# Altium PCB Electronic Load 20251104.PcbDoc (part 2 of 4)
Units mm, origin at the board's own origin, x right, y up, seen from the top; angles counter-clockwise.
Board outline 206 x 70 mm, 6 copper layers (L1, L2, L3, L4, L5, L6), stack 1.609 mm thick; 684 components, 363 nets, 1727 pads, 147 vias.
Unrouted connection lines stored in the file: 1081.
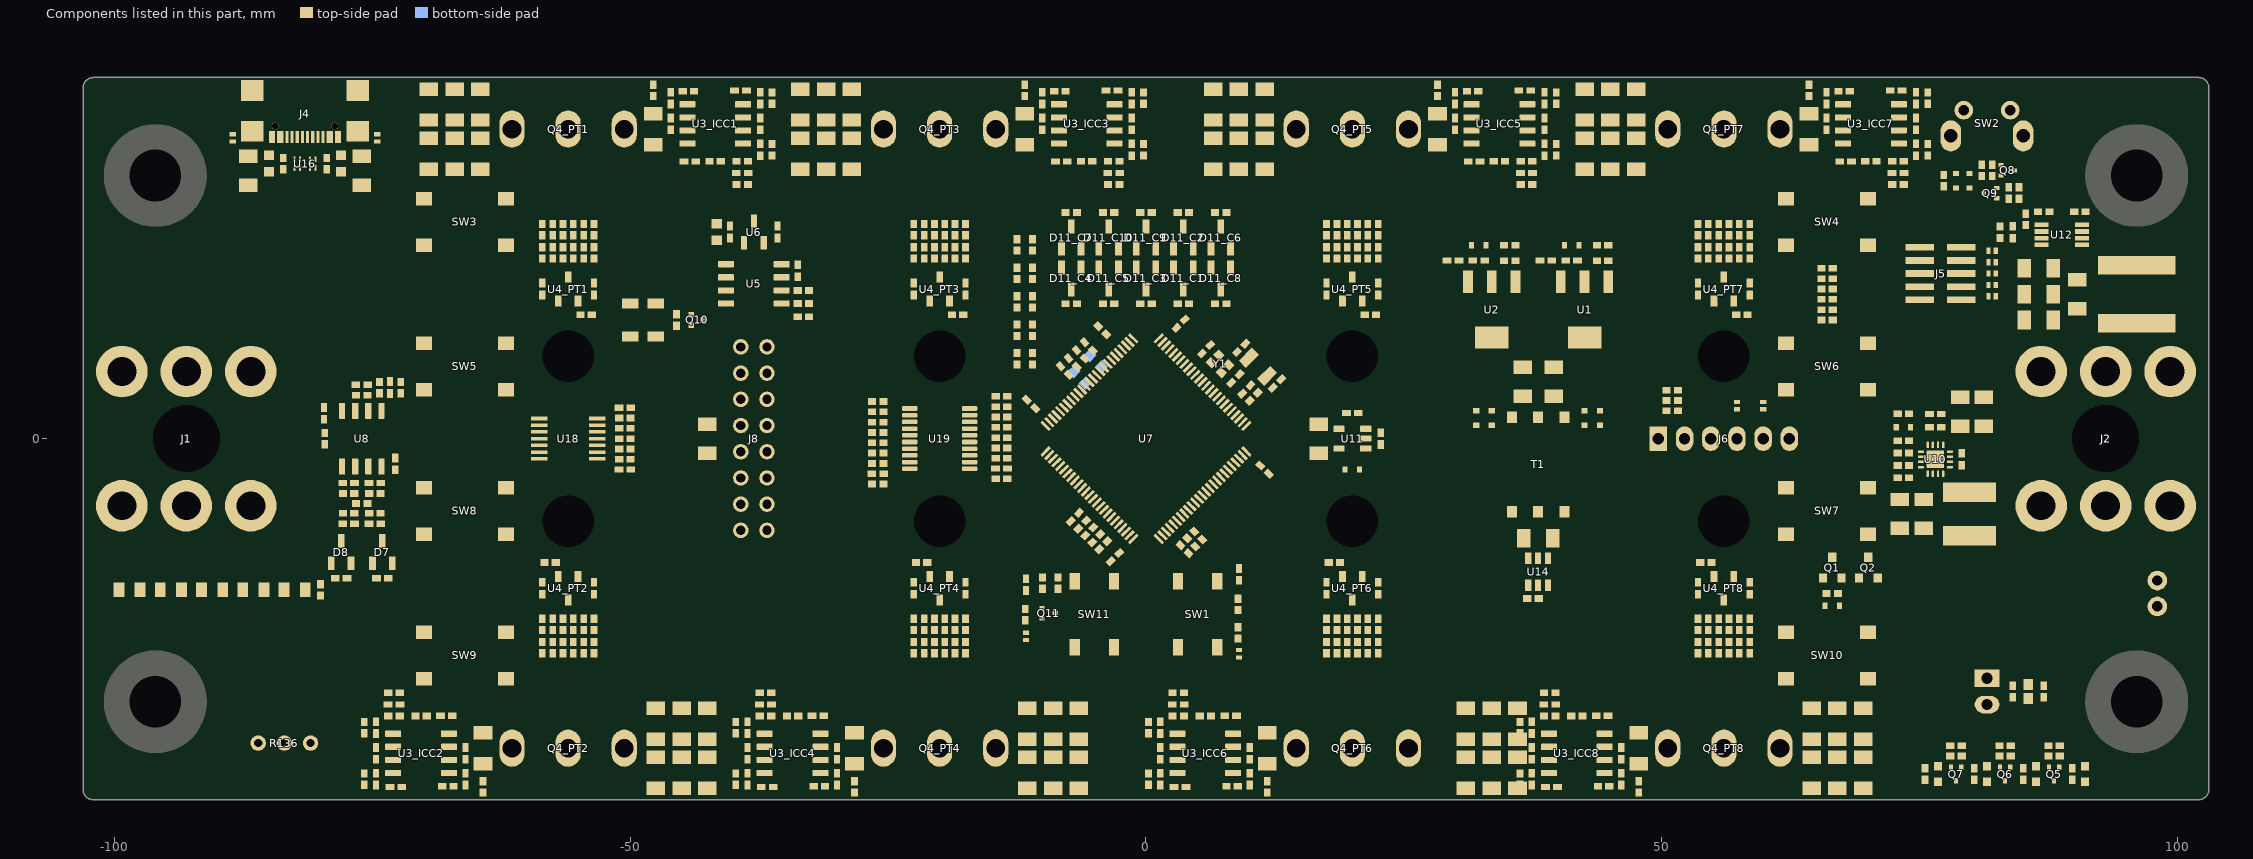
[diagram p3: the components of this part, seen from the top]

## Components (designator, comment, footprint, x,y, rotation, side; value= is the part's Value field where it differs from the comment) (continued)
R31_ICC4 "1k,0.1%,0.063W,0402" RESC1005X04N -21.5,-20.25 r270 top value=1k (schematic designator R31)
R31_ICC5 "1k,0.1%,0.063W,0402" RESC1005X04N 21.5,20.25 r90 top value=1k (schematic designator R31)
R31_ICC6 "1k,0.1%,0.063W,0402" RESC1005X04N 18.5,-20.25 r270 top value=1k (schematic designator R31)
R31_ICC7 "1k,0.1%,0.063W,0402" RESC1005X04N 57.5,20.25 r90 top value=1k (schematic designator R31)
R31_ICC8 "1k,0.1%,0.063W,0402" RESC1005X04N 54.5,-20.25 r270 top value=1k (schematic designator R31)
R32_ICC1 "1k,0.1%,0.063W,0402" RESC1005X04N -58.5,20.25 r90 top value=1k (schematic designator R32)
R32_ICC2 "1k,0.1%,0.063W,0402" RESC1005X04N -53.5,-20.25 r270 top value=1k (schematic designator R32)
R32_ICC3 "1k,0.1%,0.063W,0402" RESC1005X04N -22.5,20.25 r90 top value=1k (schematic designator R32)
R32_ICC4 "1k,0.1%,0.063W,0402" RESC1005X04N -17.5,-20.25 r270 top value=1k (schematic designator R32)
R32_ICC5 "1k,0.1%,0.063W,0402" RESC1005X04N 17.5,20.25 r90 top value=1k (schematic designator R32)
R32_ICC6 "1k,0.1%,0.063W,0402" RESC1005X04N 22.5,-20.25 r270 top value=1k (schematic designator R32)
R32_ICC7 "1k,0.1%,0.063W,0402" RESC1005X04N 53.5,20.25 r90 top value=1k (schematic designator R32)
R32_ICC8 "1k,0.1%,0.063W,0402" RESC1005X04N 58.5,-20.25 r270 top value=1k (schematic designator R32)
R33_ICC1 "10k,5%,0.063W,0402" RESC1005X04N -44.35,33.675 r180 top value=10k (schematic designator R33)
R33_ICC2 "10k,5%,0.063W,0402" RESC1005X04N -67.65,-33.675 r0 top value=10k (schematic designator R33)
R33_ICC3 "10k,5%,0.063W,0402" RESC1005X04N -8.35,33.675 r180 top value=10k (schematic designator R33)
R33_ICC4 "10k,5%,0.063W,0402" RESC1005X04N -31.65,-33.675 r0 top value=10k (schematic designator R33)
R33_ICC5 "10k,5%,0.063W,0402" RESC1005X04N 31.65,33.675 r180 top value=10k (schematic designator R33)
R33_ICC6 "10k,5%,0.063W,0402" RESC1005X04N 8.35,-33.675 r0 top value=10k (schematic designator R33)
R33_ICC7 "10k,5%,0.063W,0402" RESC1005X04N 67.65,33.675 r180 top value=10k (schematic designator R33)
R33_ICC8 "10k,5%,0.063W,0402" RESC1005X04N 44.35,-33.675 r0 top value=10k (schematic designator R33)
R34_ICC1 "6k81,0.1%,0.063W,0402" RESC1005X04N -36.25,33 r270 top value=6k81 (schematic designator R34)
R34_ICC2 "6k81,0.1%,0.063W,0402" RESC1005X04N -75.75,-33 r90 top value=6k81 (schematic designator R34)
R34_ICC3 "6k81,0.1%,0.063W,0402" RESC1005X04N -0.25,33 r270 top value=6k81 (schematic designator R34)
R34_ICC4 "6k81,0.1%,0.063W,0402" RESC1005X04N -39.75,-33 r90 top value=6k81 (schematic designator R34)
R34_ICC5 "6k81,0.1%,0.063W,0402" RESC1005X04N 39.75,33 r270 top value=6k81 (schematic designator R34)
R34_ICC6 "6k81,0.1%,0.063W,0402" RESC1005X04N 0.25,-33 r90 top value=6k81 (schematic designator R34)
R34_ICC7 "6k81,0.1%,0.063W,0402" RESC1005X04N 75.75,33 r270 top value=6k81 (schematic designator R34)
R34_ICC8 "6k81,0.1%,0.063W,0402" RESC1005X04N 36.25,-33 r90 top value=6k81 (schematic designator R34)
R35_ICC1 "1k,0.1%,0.063W,0402" RESC1005X04N -55.5,18 r270 top value=1k (schematic designator R35)
R35_ICC2 "1k,0.1%,0.063W,0402" RESC1005X04N -56.5,-18 r90 top value=1k (schematic designator R35)
R35_ICC3 "1k,0.1%,0.063W,0402" RESC1005X04N -19.5,18 r270 top value=1k (schematic designator R35)
R35_ICC4 "1k,0.1%,0.063W,0402" RESC1005X04N -20.5,-18 r90 top value=1k (schematic designator R35)
R35_ICC5 "1k,0.1%,0.063W,0402" RESC1005X04N 20.5,18 r270 top value=1k (schematic designator R35)
R35_ICC6 "1k,0.1%,0.063W,0402" RESC1005X04N 19.5,-18 r90 top value=1k (schematic designator R35)
R35_ICC7 "1k,0.1%,0.063W,0402" RESC1005X04N 56.5,18 r270 top value=1k (schematic designator R35)
R35_ICC8 "1k,0.1%,0.063W,0402" RESC1005X04N 55.5,-18 r90 top value=1k (schematic designator R35)
R36_ICC1 "1k,0.1%,0.063W,0402" RESC1005X04N -54.5,18 r270 top value=1k (schematic designator R36)
R36_ICC2 "1k,0.1%,0.063W,0402" RESC1005X04N -57.5,-18 r90 top value=1k (schematic designator R36)
R36_ICC3 "1k,0.1%,0.063W,0402" RESC1005X04N -18.5,18 r270 top value=1k (schematic designator R36)
R36_ICC4 "1k,0.1%,0.063W,0402" RESC1005X04N -21.5,-18 r90 top value=1k (schematic designator R36)
R36_ICC5 "1k,0.1%,0.063W,0402" RESC1005X04N 21.5,18 r270 top value=1k (schematic designator R36)
R36_ICC6 "1k,0.1%,0.063W,0402" RESC1005X04N 18.5,-18 r90 top value=1k (schematic designator R36)
R36_ICC7 "1k,0.1%,0.063W,0402" RESC1005X04N 57.5,18 r270 top value=1k (schematic designator R36)
R36_ICC8 "1k,0.1%,0.063W,0402" RESC1005X04N 54.5,-18 r90 top value=1k (schematic designator R36)
R64_CS1 "0R02,1%,0.33W,1206" RESC3216X06N -64.5,32.375 r270 top value=0.02 (schematic designator R64)
R64_CS2 "0R02,1%,0.33W,1206" RESC3216X06N -42.5,-27.625 r270 top value=0.02 (schematic designator R64)
R64_CS3 "0R02,1%,0.33W,1206" RESC3216X06N -28.5,32.375 r270 top value=0.02 (schematic designator R64)
R64_CS4 "0R02,1%,0.33W,1206" RESC3216X06N -6.5,-27.625 r270 top value=0.02 (schematic designator R64)
R64_CS5 "0R02,1%,0.33W,1206" RESC3216X06N 11.5,32.375 r270 top value=0.02 (schematic designator R64)
R64_CS6 "0R02,1%,0.33W,1206" RESC3216X06N 36,-27.625 r270 top value=0.02 (schematic designator R64)
R64_CS7 "0R02,1%,0.33W,1206" RESC3216X06N 47.5,32.375 r270 top value=0.02 (schematic designator R64)
R64_CS8 "0R02,1%,0.33W,1206" RESC3216X06N 69.5,-27.625 r270 top value=0.02 (schematic designator R64)
R67_CS1 "0R02,1%,0.33W,1206" RESC3216X06N -64.5,27.625 r90 top value=0.02 (schematic designator R67)
R67_CS2 "0R02,1%,0.33W,1206" RESC3216X06N -42.5,-32.375 r90 top value=0.02 (schematic designator R67)
R67_CS3 "0R02,1%,0.33W,1206" RESC3216X06N -28.5,27.625 r90 top value=0.02 (schematic designator R67)
R67_CS4 "0R02,1%,0.33W,1206" RESC3216X06N -6.5,-32.375 r90 top value=0.02 (schematic designator R67)
R67_CS5 "0R02,1%,0.33W,1206" RESC3216X06N 11.5,27.625 r90 top value=0.02 (schematic designator R67)
R67_CS6 "0R02,1%,0.33W,1206" RESC3216X06N 36,-32.375 r90 top value=0.02 (schematic designator R67)
R67_CS7 "0R02,1%,0.33W,1206" RESC3216X06N 47.5,27.625 r90 top value=0.02 (schematic designator R67)
R67_CS8 "0R02,1%,0.33W,1206" RESC3216X06N 69.5,-32.375 r90 top value=0.02 (schematic designator R67)
R70_CS1 "0R02,1%,0.33W,1206" RESC3216X06N -69.5,27.625 r90 top value=0.02 (schematic designator R70)
R70_CS2 "0R02,1%,0.33W,1206" RESC3216X06N -47.5,-32.375 r90 top value=0.02 (schematic designator R70)
R70_CS3 "0R02,1%,0.33W,1206" RESC3216X06N -33.5,27.625 r90 top value=0.02 (schematic designator R70)
R70_CS4 "0R02,1%,0.33W,1206" RESC3216X06N -11.5,-32.375 r90 top value=0.02 (schematic designator R70)
R70_CS5 "0R02,1%,0.33W,1206" RESC3216X06N 6.5,27.625 r90 top value=0.02 (schematic designator R70)
R70_CS6 "0R02,1%,0.33W,1206" RESC3216X06N 31,-32.375 r90 top value=0.02 (schematic designator R70)
R70_CS7 "0R02,1%,0.33W,1206" RESC3216X06N 42.5,27.625 r90 top value=0.02 (schematic designator R70)
R70_CS8 "0R02,1%,0.33W,1206" RESC3216X06N 64.5,-32.375 r90 top value=0.02 (schematic designator R70)
R73_CS1 "0R02,1%,0.33W,1206" RESC3216X06N -67,27.625 r90 top value=0.02 (schematic designator R73)
R73_CS2 "0R02,1%,0.33W,1206" RESC3216X06N -45,-32.375 r90 top value=0.02 (schematic designator R73)
R73_CS3 "0R02,1%,0.33W,1206" RESC3216X06N -31,27.625 r90 top value=0.02 (schematic designator R73)
R73_CS4 "0R02,1%,0.33W,1206" RESC3216X06N -9,-32.375 r90 top value=0.02 (schematic designator R73)
R73_CS5 "0R02,1%,0.33W,1206" RESC3216X06N 9,27.625 r90 top value=0.02 (schematic designator R73)
R73_CS6 "0R02,1%,0.33W,1206" RESC3216X06N 33.5,-32.375 r90 top value=0.02 (schematic designator R73)
R73_CS7 "0R02,1%,0.33W,1206" RESC3216X06N 45,27.625 r90 top value=0.02 (schematic designator R73)
R73_CS8 "0R02,1%,0.33W,1206" RESC3216X06N 67,-32.375 r90 top value=0.02 (schematic designator R73)
R81_PT1 "0R0,1206" RESC3216X06N -47.75,30 r90 top value=0 (schematic designator R81)
R81_PT2 "0R0,1206" RESC3216X06N -64.25,-30 r270 top value=0 (schematic designator R81)
R81_PT3 "0R0,1206" RESC3216X06N -11.75,30 r90 top value=0 (schematic designator R81)
R81_PT4 "0R0,1206" RESC3216X06N -28.25,-30 r270 top value=0 (schematic designator R81)
R81_PT5 "0R0,1206" RESC3216X06N 28.25,30 r90 top value=0 (schematic designator R81)
R81_PT6 "0R0,1206" RESC3216X06N 11.75,-30 r270 top value=0 (schematic designator R81)
R81_PT7 "0R0,1206" RESC3216X06N 64.25,30 r90 top value=0 (schematic designator R81)
R81_PT8 "0R0,1206" RESC3216X06N 47.75,-30 r270 top value=0 (schematic designator R81)
R82_PT1 "10k,5%,0.063W,0402" RESC1005X04N -47.75,33.75 r270 top value=10k (schematic designator R82)
R82_PT2 "10k,5%,0.063W,0402" RESC1005X04N -64.25,-33.75 r90 top value=10k (schematic designator R82)
R82_PT3 "10k,5%,0.063W,0402" RESC1005X04N -11.75,33.75 r270 top value=10k (schematic designator R82)
R82_PT4 "10k,5%,0.063W,0402" RESC1005X04N -28.25,-33.75 r90 top value=10k (schematic designator R82)
R82_PT5 "10k,5%,0.063W,0402" RESC1005X04N 28.25,33.75 r270 top value=10k (schematic designator R82)
R82_PT6 "10k,5%,0.063W,0402" RESC1005X04N 11.75,-33.75 r90 top value=10k (schematic designator R82)
R82_PT7 "10k,5%,0.063W,0402" RESC1005X04N 64.25,33.75 r270 top value=10k (schematic designator R82)
R82_PT8 "10k,5%,0.063W,0402" RESC1005X04N 47.75,-33.75 r90 top value=10k (schematic designator R82)
R83_PT1 "1k,5%,0.063W,0402" RESC1005X04N -54.25,12 r180 top value=1k (schematic designator R83)
R83_PT2 "1k,5%,0.063W,0402" RESC1005X04N -57.75,-12 r0 top value=1k (schematic designator R83)
R83_PT3 "1k,5%,0.063W,0402" RESC1005X04N -18.25,12 r180 top value=1k (schematic designator R83)
R83_PT4 "1k,5%,0.063W,0402" RESC1005X04N -21.75,-12 r0 top value=1k (schematic designator R83)
R83_PT5 "1k,5%,0.063W,0402" RESC1005X04N 21.75,12 r180 top value=1k (schematic designator R83)
R83_PT6 "1k,5%,0.063W,0402" RESC1005X04N 18.25,-12 r0 top value=1k (schematic designator R83)
R83_PT7 "1k,5%,0.063W,0402" RESC1005X04N 57.75,12 r180 top value=1k (schematic designator R83)
R83_PT8 "1k,5%,0.063W,0402" RESC1005X04N 54.25,-12 r0 top value=1k (schematic designator R83)
R84 "0R0,0402" RESC1005X04N 10.448,4.048 r45 top value=0
R85 "750R,1%,0.063W,0402" RESC1005X04N 85,-32.5 r90 top
R86 "300R,1%,0.063W,0402" RESC1005X04N 80.25,-32.5 r270 top
R87 "270R,1%,0.063W,0402" RESC1005X04N 75.5,-32.5 r270 top value=270
R88 "10k,5%,0.063W,0402" RESC1005X04N 78.5,-29.75 r0 top value=10k
R89 "10k,5%,0.063W,0402" RESC1005X04N 83.25,-29.75 r0 top value=10k
R90 "10k,5%,0.063W,0402" RESC1005X04N 88,-30.75 r0 top value=10k
R91 "10k,5%,0.063W,0402" RESC1005X04N 88,-29.75 r0 top value=10k
R92 "10k,5%,0.063W,0402" RESC1005X04N 83.25,-30.75 r0 top value=10k
R93 "10k,5%,0.063W,0402" RESC1005X04N 78.5,-30.75 r0 top value=10k
R94 "10k,5%,0.063W,0402" RESC1005X04N 8.925,-16.058 r90 top value=10k
R95 "10R,1%,0.063W,0402" RESC1005X04N 8.925,-18.816 r90 top value=10
R96 "442k,0.1%,0.125W,0805" RESC2012X07N -98.5,-14.65 r180 top value=442k
R97 "442k,0.1%,0.125W,0805" RESC2012X07N -94.5,-14.65 r180 top value=442k
R98 "442k,0.1%,0.125W,0805" RESC2012X07N -90.5,-14.65 r180 top value=442k
R99 "442k,0.1%,0.125W,0805" RESC2012X07N -86.5,-14.65 r180 top value=442k
R100 "442k,0.1%,0.125W,0805" RESC2012X07N -82.5,-14.65 r180 top value=442k
R101 "10k,0.1%,0.063W,0402" RESC1005X04N -80,-14.65 r270 top value=10k
R103 "1k,0.1%,0.063W,0402" RESC1005X04N -77.27,-5.325 r180 top value=1k
R111_C1 "1k,5%,0.063W,0402" RESC1005X04N -11,16.017 r270 top value=1k (schematic designator R111)
R111_C2 "1k,5%,0.063W,0402" RESC1005X04N -12.508,13.259 r90 top value=1k (schematic designator R111)
R111_C3 "1k,5%,0.063W,0402" RESC1005X04N -12.508,16.017 r270 top value=1k (schematic designator R111)
R111_C4 "1k,5%,0.063W,0402" RESC1005X04N -12.508,18.775 r270 top value=1k (schematic designator R111)
R111_C5 "1k,5%,0.063W,0402" RESC1005X04N -11,18.775 r270 top value=1k (schematic designator R111)
R111_C6 "1k,5%,0.063W,0402" RESC1005X04N -12.508,7.743 r90 top value=1k (schematic designator R111)
R111_C7 "1k,5%,0.063W,0402" RESC1005X04N -11,7.743 r90 top value=1k (schematic designator R111)
R111_C8 "1k,5%,0.063W,0402" RESC1005X04N -11,10.501 r270 top value=1k (schematic designator R111)
R111_C9 "1k,5%,0.063W,0402" RESC1005X04N -11,13.259 r90 top value=1k (schematic designator R111)
R111_C10 "1k,5%,0.063W,0402" RESC1005X04N -12.508,10.501 r90 top value=1k (schematic designator R111)
R112_C1 "49R9,1%,0.063W,0402" RESC1005X04N 3.62,13.075 r0 top value=49.9 (schematic designator R112)
R112_C2 "49R9,1%,0.063W,0402" RESC1005X04N 3.62,21.925 r180 top value=49.9 (schematic designator R112)
R112_C3 "49R9,1%,0.063W,0402" RESC1005X04N 0,13.075 r0 top value=49.9 (schematic designator R112)
R112_C4 "49R9,1%,0.063W,0402" RESC1005X04N -7.24,13.075 r0 top value=49.9 (schematic designator R112)
R112_C5 "49R9,1%,0.063W,0402" RESC1005X04N -3.62,13.075 r0 top value=49.9 (schematic designator R112)
R112_C6 "49R9,1%,0.063W,0402" RESC1005X04N 7.24,21.925 r180 top value=49.9 (schematic designator R112)
R112_C7 "49R9,1%,0.063W,0402" RESC1005X04N -7.24,21.925 r180 top value=49.9 (schematic designator R112)
R112_C8 "49R9,1%,0.063W,0402" RESC1005X04N 7.24,13.075 r0 top value=49.9 (schematic designator R112)
R112_C9 "49R9,1%,0.063W,0402" RESC1005X04N 0,21.925 r180 top value=49.9 (schematic designator R112)
R112_C10 "49R9,1%,0.063W,0402" RESC1005X04N -3.62,21.925 r180 top value=49.9 (schematic designator R112)
R113 "0R0,0402" RESC1005X04N 73.4,-1.4 r180 top value=0
R114 "4k42,1%,0.063W,0402" RESC1005X04N 84,-24.5 r90 top value=4k42
R115 "13k2,1%,0.063W,0402" RESC1005X04N 73.4,-0.2 r0 top
R116 "0R0,0402" RESC1005X04N 73.4,-3.8 r180 top value=0
R117 "100k,1%,0.063W,0402" RESC1005X04N 77.3,25 r90 top value=100k
R118 "21k5,1%,0.063W,0402" RESC1005X04N 87,-24.5 r270 top value=21k5
R119 "10k,5%,0.063W,0402" RESC1005X04N 84.6,23.8 r270 top value=10k
R120 "10k,5%,0.063W,0402" RESC1005X04N 83.6,23.8 r90 top value=10k
R121 "10k,5%,0.063W,0402" RESC1005X04N 73.4,2.4 r180 top value=10k
R122 "0R0,0402" RESC1005X04N 73.4,-2.6 r0 top value=0
R123 "1k62,1%,0.063W,0402" RESC1005X04N 89.75,-32.5 r270 top value=1k62
R124 "NTC,10k,3380K,0603" RESC_0603 85.5,-24.5 r270 top
R125 "330R,1%,0.063W,0402" RESC1005X04N 44.249,17.25 r180 top value=330
R126 "3k6,1%,0.063W,0402" RESC1005X04N 44.249,18.75 r0 top
R127 "330R,1%,0.063W,0402" RESC1005X04N 35.249,17.25 r180 top value=330
R128 "1k,5%,0.063W,0402" RESC1005X04N 35.249,18.75 r0 top value=1k
R129 "5k11,1%,0.063W,0402" RESC1005X04N -83.6,26.65 r90 top value=5k11
R130 "5k11,1%,0.063W,0402" RESC1005X04N -79.4,26.65 r90 top value=5k11
R131 "49R9,1%,0.063W,0402" RESC1005X04N -50.5,2 r180 top value=49.9
R132 "100R,1%,0.25W,1206" SEI_PKG_RMCF1206 -47.5,11.5 r90 top value=100R
R133 "49R9,1%,0.063W,0402" RESC1005X04N -50.5,1 r180 top value=49.9
R134 "49R9,1%,0.063W,0402" RESC1005X04N -50.5,0 r180 top value=49.9
R135 "49R9,1%,0.063W,0402" RESC1005X04N -50.5,-1 r180 top value=49.9
R136 "10k,25T" BOURNS_3296W -83.5,-29.5 r180 top
R137 "49R9,1%,0.063W,0402" RESC1005X04N -26,-4.4 r0 top value=49.9
R138 "49R9,1%,0.063W,0402" RESC1005X04N -14,-3.9 r0 top value=49.9
R139 "49R9,1%,0.063W,0402" RESC1005X04N -26,-2.4 r0 top value=49.9
R140 "49R9,1%,0.063W,0402" RESC1005X04N -14,-1.9 r0 top value=49.9
R141 "49R9,1%,0.063W,0402" RESC1005X04N -26,-1.4 r0 top value=49.9
R142 "49R9,1%,0.063W,0402" RESC1005X04N -14,-0.9 r0 top value=49.9
R143 "49R9,1%,0.063W,0402" RESC1005X04N -26,-0.4 r0 top value=49.9
R144 "49R9,1%,0.063W,0402" RESC1005X04N -14,0.1 r0 top value=49.9
R145 "49R9,1%,0.063W,0402" RESC1005X04N -26,0.6 r0 top value=49.9
R146 "49R9,1%,0.063W,0402" RESC1005X04N -14,1.1 r0 top value=49.9
R147 "49R9,1%,0.063W,0402" RESC1005X04N -26,1.6 r0 top value=49.9
R148 "49R9,1%,0.063W,0402" RESC1005X04N -14,2.1 r0 top value=49.9
R149 "49R9,1%,0.063W,0402" RESC1005X04N -26,2.6 r0 top value=49.9
R150 "49R9,1%,0.063W,0402" RESC1005X04N -14,3.1 r0 top value=49.9
R151 "49R9,1%,0.063W,0402" RESC1005X04N -26,3.6 r0 top value=49.9
R152 "49R9,1%,0.063W,0402" RESC1005X04N -14,4.1 r0 top value=49.9
R153 "10k,5%,0.063W,0402" RESC1005X04N -45.5,11.5 r90 top value=10k
R154 "10k,5%,0.063W,0402" RESC1005X04N -4.25,10.5 r135 top value=10k
R155 "10k,5%,0.063W,0402" RESC1005X04N -6.17,-8.326 r225 top value=10k
R156 "10k,5%,0.063W,0402" RESC1005X04N -5.498,-8.998 r225 top value=10k
R157 "10k,5%,0.063W,0402" RESC1005X04N -4.826,-9.67 r225 top value=10k
R158 "10k,5%,0.063W,0402" RESC1005X04N 5.074,-9.387 r315 top value=10k
R159 "10k,5%,0.063W,0402" RESC1005X04N 4.402,-10.059 r315 top value=10k
R160 "10k,5%,0.063W,0402" RESC1005X04N 3.73,-10.73 r315 top value=10k
R161 "10k,5%,0.063W,0402" RESC1005X04N -4.154,-10.341 r225 top value=10k
R162 "10k,5%,0.063W,0402" RESC1005X04N -10.033,-14 r90 top value=10k
R163 "10k,5%,0.063W,0402" RESC1005X04N -11.691,-17.058 r90 top value=10k
R164 "10R,1%,0.063W,0402" RESC1005X04N -8.525,-14 r90 top value=10
R165 "10k,5%,0.063W,0402" RESC1005X04N -33.2,11.825 r180 top value=10k
R166 "10k,5%,0.063W,0402" RESC1005X04N -33.2,13.095 r0 top value=10k
R167 "10k,5%,0.063W,0402" RESC1005X04N -33.2,14.365 r0 top value=10k
R168 "10R,1%,0.063W,0402" RESC1005X04N 66,16.5 r0 top value=10
R169 "10R,1%,0.063W,0402" RESC1005X04N 66,15.5 r0 top value=10
R170 "10R,1%,0.063W,0402" RESC1005X04N 66,14.5 r0 top value=10
R171 "10R,1%,0.063W,0402" RESC1005X04N 66,12.5 r0 top value=10
R172 "0R0,0402" RESC1005X04N 66,13.5 r180 top value=0
R173 "10R,1%,0.063W,0402" RESC1005X04N 66,11.5 r0 top value=10
R174 "10R,1%,0.063W,0402" RESC1005X04N 51,4.7 r180 top value=10
R175 "10R,1%,0.063W,0402" RESC1005X04N 51,3.7 r180 top value=10
R176 "100k,1%,0.063W,0402" RESC1005X04N 82,26 r90 top value=100k
R177 "750k,1%,0.063W,0402" RESC1005X04N 82.75,20 r270 top
R178 "100k,1%,0.063W,0402" RESC1005X04N 90.5,22 r180 top value=100k
R179 "100k,1%,0.063W,0402" RESC1005X04N 85.25,21.25 r270 top value=100k
R180 "Omit" RESC1005X04N 87,22 r0 top
R181 "100k,1%,0.063W,0402" RESC1005X04N 81,26 r270 top value=100k
R182 "0R0,0402" RESC1005X04N 51,2.7 r180 top value=0
R183 "10k,5%,0.063W,0402" RESC1005X04N -50.5,-2 r180 top value=10k
R184 "10k,5%,0.063W,0402" RESC1005X04N 37.5,-15.5 r180 top value=10k
R185 "100R,1%,0.25W,1206" SEI_PKG_RMCF1206 -50,11.5 r90 top value=100R
SW1 "PTS525SM15SMTR2 LFS" "C&K_PTS525SM15SMTR2 LFS" 5,-17 r90 top
SW2 "1825027-6" TE_1825027-6 81.5,31.83 r180 top locked
SW3 "PTS645SK43SMTR92 LFS" "C&K_PTS645SK43SMTR92 LFS" -66,21 r180 top locked
SW4 "PTS645SK43SMTR92 LFS" "C&K_PTS645SK43SMTR92 LFS" 66,21 r180 top locked
SW5 "PTS645SK43SMTR92 LFS" "C&K_PTS645SK43SMTR92 LFS" -66,7 r180 top locked
SW6 "PTS645SK43SMTR92 LFS" "C&K_PTS645SK43SMTR92 LFS" 66,7 r180 top locked
SW7 "PTS645SK43SMTR92 LFS" "C&K_PTS645SK43SMTR92 LFS" 66,-7 r180 top locked
SW8 "PTS645SK43SMTR92 LFS" "C&K_PTS645SK43SMTR92 LFS" -66,-7 r180 top locked
SW9 "PTS645SK43SMTR92 LFS" "C&K_PTS645SK43SMTR92 LFS" -66,-21 r180 top locked
SW10 "PTS645SK43SMTR92 LFS" "C&K_PTS645SK43SMTR92 LFS" 66,-21 r180 top locked
SW11 "PTS525SM15SMTR2 LFS" "C&K_PTS525SM15SMTR2 LFS" -5,-17 r90 top
T1 "750317722" WURTH_750317722 38,-2.5 r90 top
U1 "LM317EMPX/NOPB" TEXASINSTRUMENTS_PKG_DCY 42.5,12.5 r180 top
U2 "LM337IMPX/NOPB" TEXASINSTRUMENTS_PKG_DCY 33.5,12.5 r180 top
U3_ICC1 "OPA2209AIDR" TEXASINSTRUMENTS_PKG_D0008A -41.75,30.5 r180 top (schematic designator U3)
U3_ICC2 "OPA2209AIDR" TEXASINSTRUMENTS_PKG_D0008A -70.25,-30.5 r0 top (schematic designator U3)
U3_ICC3 "OPA2209AIDR" TEXASINSTRUMENTS_PKG_D0008A -5.75,30.5 r180 top (schematic designator U3)
U3_ICC4 "OPA2209AIDR" TEXASINSTRUMENTS_PKG_D0008A -34.25,-30.5 r0 top (schematic designator U3)
U3_ICC5 "OPA2209AIDR" TEXASINSTRUMENTS_PKG_D0008A 34.25,30.5 r180 top (schematic designator U3)
U3_ICC6 "OPA2209AIDR" TEXASINSTRUMENTS_PKG_D0008A 5.75,-30.5 r0 top (schematic designator U3)
U3_ICC7 "OPA2209AIDR" TEXASINSTRUMENTS_PKG_D0008A 70.25,30.5 r180 top (schematic designator U3)
U3_ICC8 "OPA2209AIDR" TEXASINSTRUMENTS_PKG_D0008A 41.75,-30.5 r0 top (schematic designator U3)
U4_PT1 "MCP9701AT-E/TT" MICROCHIP_SOT23 -56,14.5 r90 top (schematic designator U4)
U4_PT2 "MCP9701AT-E/TT" MICROCHIP_SOT23 -56,-14.5 r270 top (schematic designator U4)
U4_PT3 "MCP9701AT-E/TT" MICROCHIP_SOT23 -20,14.5 r90 top (schematic designator U4)
U4_PT4 "MCP9701AT-E/TT" MICROCHIP_SOT23 -20,-14.5 r270 top (schematic designator U4)
U4_PT5 "MCP9701AT-E/TT" MICROCHIP_SOT23 20,14.5 r90 top (schematic designator U4)
U4_PT6 "MCP9701AT-E/TT" MICROCHIP_SOT23 20,-14.5 r270 top (schematic designator U4)
U4_PT7 "MCP9701AT-E/TT" MICROCHIP_SOT23 56,14.5 r90 top (schematic designator U4)
U4_PT8 "MCP9701AT-E/TT" MICROCHIP_SOT23 56,-14.5 r270 top (schematic designator U4)
U5 "DAC8830ID" TEXASINSTRUMENTS_PKG_D0008A -38,15 r0 top
U6 "REF3030AIDBZR" SOT95P237X112-3N -38,20.025 r90 top
U7 "STM32G474VET6" STMICROELECTRONICS_PKG_LQFP100 0,0 r225 top locked
U8 "OPA2209AIDR" TEXASINSTRUMENTS_PKG_D0008A -76,0 r90 top
U10 "BQ25303JRTER" TEXASINSTRUMENTS_PKG_RTE0016C 76.5,-2 r270 top
U11 "TPS79333DBVR" TEXASINSTRUMENTS_PKG_DBV0005A 20,0 r180 top
U12 "PAM2401SCADJ" DIODES_PKG_MSOP-8 88.75,19.75 r180 top
U14 "SN6505BDBVR" TEXASINSTRUMENTS_PKG_DBV0006A 38,-12.9 r270 top
U16 "TPD4E05U06DQAR" TEXASINSTRUMENTS_PKG_DQA0009A -81.5,26.65 r90 top
U18 "TXU0104PWR" SOP65P640X120-14N -56,0 r0 top
U19 "TXB0108PWR" TEXASINSTRUMENTS_PKG_PW0020A -20,0 r180 top
Y1 "24MHz,8pF" NDK_NX2016SA 7.177,7.248 r135 top
Y2 "32.768kHz,12.5pF" EPSON_FC-135 10.854,6.965 r135 top

## Footprints (in the part's own frame and the unit in brackets; to place one, negate y for a bottom-side part, rotate by r counter-clockwise, add the part's x,y. Pads: shape width x height; smd on the part's side, far side on the other; paste and mask are expansions set on the pad)
BOURNS_3296W [mm]
  round 1.5 hole 0.8 mask+0.05: 1(-2.54,0) 2(0,0) 3(2.54,0)
  silkscreen extent -4.77,-2.41 4.76,2.42, body extent -4.75,-2.42 4.75,2.42, height 11
"C&K_PTS525SM15SMTR2 LFS" [mm] "C&K_PTS525SM15SMTR2 LFS"
  rect 1.6x1 smd mask+0.05: 1(-3.2,1.9) 2(3.2,1.9) 3(-3.2,-1.9) 4(3.2,-1.9)
  silkscreen extent -2,-2.25 2,2.25, body extent -3.2,-2.55 3.2,2.55, height 1.6
"C&K_PTS645SK43SMTR92 LFS" [mm] "C&K_PTS645SK43SMTR92 LFS"
  rect 1.55x1.3 smd mask+0.05: 1(-3.975,2.25) 2(3.975,2.25) 3(-3.975,-2.25) 4(3.975,-2.25)
  silkscreen extent -2.9,-2.9 2.9,2.9, body extent -4.5,-3 4.5,3, height 4.3
CAPC1005X06N [mm]
  rect 0.85x0.6 smd: 1(-0.575,0) 2(0.575,0)
  body extent -0.53,-0.28 0.53,0.27, height 0.55
CAPC3216X16N [mm] "Chip Capacitor, 2-Leads, Body 3.20x1.60mm, IPC Medium Density"
  rect 1.3x1.8 smd: 1(-1.4,0) 2(1.4,0)
  silkscreen extent -0.35,-0.8 0.35,0.8, body extent -1.75,-0.95 1.75,0.95, height 1.6
"CNC Tech_3221-10-0300-00" [mm] "CNC Tech_3221-10-0300-00"
  rect 2.76x0.65 smd mask+0.05: 1(-2.02,2.54) 2(2.02,2.54) 3(-2.02,1.27) 4(2.02,1.27) 5(-2.02,0) 6(2.02,0) 7(-2.02,-1.27) 8(2.02,-1.27) 9(-2.02,-2.54) 10(2.02,-2.54)
  silkscreen extent -3.5,-6.2 2.35,6.2, body extent -2.5,-6.35 2.5,6.35, height 5.55
DFN65P100X50-2N [mm] "DFN, 2-Leads, Body 0.60x1.00mm, Pitch 0.65mm, IPC Medium Density"
  rect 0.4x0.6 smd: 1(-0.35,0) 2(0.35,0)
  silkscreen extent -1,-0.05 -0.9,0.05, body extent -0.5,-0.3 0.5,0.3, height 0.5
DIODES_PKG_MSOP-8 [mm]
  rect 1.35x0.45 smd: 1(-1.975,0.975) 2(-1.975,0.325) 3(-1.975,-0.325) 4(-1.975,-0.975) 5(1.975,-0.975) 6(1.975,-0.325) 7(1.975,0.325) 8(1.975,0.975)
  silkscreen extent -2,-1.5 1.2,1.8, body extent -1.5,-1.5 1.5,1.5, height 1.1
DIODES_SOT23 [mm] "DIODES_SOT23"
  rect 0.9x0.8 smd: 1(-1,0.9) 2(-1,-0.9) 3(1,0)
  silkscreen extent -0.3,-1.5 0.7,1.5, body extent -0.7,-1.5 0.7,1.5, height 1.15
DIODES_SOT523 [mm] "DIODES_SOT523"
  rect 0.51x0.4 smd mask+0.05: 1(-0.645,0.5) 2(-0.645,-0.5) 3(0.645,0)
  silkscreen extent 0,-0.8 0.4,0.8, body extent -0.8,-0.78 0.8,0.8, height 0.76
EPSON_FC-135 [mm]
  rect 1x1.8 smd: 1(-1.25,0) 2(1.25,0)
  silkscreen extent -0.5,-0.85 0.5,0.85, body extent -1.65,-0.8 1.65,0.8, height 0.9
GCT_USB4110-GF-A [mm] "GCT USB4110-GF-A"
  rect 2.18x2 smd: 0(-5.11,0.5) 0(-5.11,-3.43) 0(5.11,0.5) 0(5.11,-3.43)
  rect 0.6x1.15 smd: A1/B12(-3.2,1.075) A4/B9(-2.4,1.075) A9/B4(2.4,1.075) A12/B1(3.2,1.075)
  rect 0.3x1.15 smd: A5(-1.25,1.075) A6(-0.25,1.075) A7(0.25,1.075) A8(1.25,1.075) B5(1.75,1.075) B6(0.75,1.075) B7(-0.75,1.075) B8(-1.75,1.075)
  round 0.65 hole 0.65 unplated mask+0.102: ""(-2.89,0) ""(2.89,0)
  silkscreen extent -4.47,-6.28 4.47,-0.86, body extent -5.65,-6.28 5.65,1.42, height 3.26
GOSEMICON_PKG_TO-247 [mm]
  oval 2.44x3.6 hole 1.8: 1(-5.44,0) 2(0,0) 3(5.44,0)
  silkscreen extent -8.15,-2.5 8.15,3.05, body extent -7.9,-2.29 7.9,2.72, height 25.4
INDC_0603 [mm]
  rect 0.92x0.98 smd: 1(-0.79,0) 2(0.79,0)
  body extent -0.88,-0.47 0.88,0.47, height 0.95
JST_S2B-XH-A [mm]
  round 1.9 hole 1 mask+0.05: 1(-1.25,0) 2(1.25,0)
  silkscreen extent -3.7,-9.2 3.7,2.35, body extent -3.7,-9.2 3.7,2.3, height 6.1
LITE-ON_LTST-C190KGKT [mm] "LITE-ON_LTST-C190KGKT"
  rect 0.8x0.8 smd: A(-0.75,0) C(0.75,0)
  silkscreen extent 1.4,-0.4 1.4,0.4, body extent -0.8,-0.4 0.8,0.4, height 0.8
LITE-ON_LTST-C190KRKT [mm] "LITE-ON_LTST-C190KRKT"
  rect 0.8x0.8 smd: A(-0.75,0) C(0.75,0)
  silkscreen extent 1.4,-0.4 1.4,0.4, body extent -0.8,-0.4 0.8,0.4, height 0.8
LITE-ON_LTST-C190KSKT [mm] "LITE-ON_LTST-C190KSKT"
  rect 0.8x0.8 smd: A(-0.75,0) C(0.75,0)
  silkscreen extent 1.4,-0.4 1.4,0.4, body extent -0.8,-0.4 0.8,0.4, height 0.8
MICROCHIP_SOT23 [mm] "MICROCHIP_SOT23"
  rect 1.05x0.65 smd: 1(-1.15,0.95) 2(-1.15,-0.95) 3(1.15,0)
  silkscreen extent -1.12,-1.45 0.65,1.97, body extent -0.65,-1.45 0.65,1.45, height 1.15
MICROCOMMERCIAL_DFN1006-2_NPOL [mm] "MICROCOMMERCIAL_DFN1006-2_NPOL"
  rect 0.4x0.6 smd: 1(-0.35,0) 2(0.35,0)
  body extent -0.5,-0.3 0.5,0.3, height 0.55
NDK_NX2016SA [mm]
  rect 0.85x0.75 smd: 1(-0.675,-0.525) 2(0.675,-0.525) 3(0.675,0.525) 4(-0.675,0.525)
  silkscreen extent -1.4,-1.2 -0.9,-0.7, body extent -1.05,-0.85 1.05,0.85, height 0.5
NETTIE_150X300UM [mm] "NETTIE_150X300UM"
  rect 0.15x0.15 smd mask+0.102: 1(-0.075,0) 2(0.075,0)
NEXPERIA_PKG_SOD523 [mm]
  rect 0.5x0.6 smd: 1(-0.7,0) 2(0.7,0)
  silkscreen extent -1.4,-0.43 0.2,0.43, body extent -0.63,-0.43 0.63,0.43, height 0.65
ONSEMI_PKG_SOD-523F [mm]
  rect 0.5x0.6 smd: 1(-0.7,0) 2(0.7,0)
  silkscreen extent -1.4,-0.43 0.2,0.43, body extent -0.63,-0.43 0.63,0.43, height 0.65
ONSEMI_SC-89 [mm] "ONSEMI_SC-89"
  rect 0.53x0.53 smd: 1(-0.55,0.5) 2(-0.55,-0.5) 3(0.55,0)
  silkscreen extent 0,-0.8 0.43,0.8, body extent -0.42,-0.8 0.43,0.8, height 0.7
RESC1005X04N [mm] "Chip Resistor, 2-Leads, Body 1.0x0.5mm, IPC Medium Density"
  rect 0.8x0.65 smd: 1(-0.55,0) 2(0.55,0)
  body extent -0.52,-0.27 0.53,0.28, height 0.4
RESC2012X07N [mm] "Chip Resistor, 2-Leads, Body 2.1x1.3mm, IPC Medium Density"
  rect 1.05x1.4 smd: 1(-1.025,0) 2(1.025,0)
  silkscreen extent -0.1,-0.6 0.1,0.6, body extent -1.1,-0.7 1.1,0.7, height 0.7
RESC3216X06N [mm] "Chip Resistor, 2-Leads, Body 3.2x1.6mm, IPC Medium Density"
  rect 1.3x1.8 smd: 1(-1.5,0) 2(1.5,0)
  silkscreen extent -0.45,-0.8 0.45,0.8, body extent -1.68,-0.87 1.68,0.87, height 0.65
RESC_0603 [mm]
  rect 1.1x0.95 smd: 1(-0.675,0) 2(0.675,0)
  body extent -0.87,-0.48 0.87,0.48, height 0.95
SEI_PKG_RMCF1206 [mm]
  rect 1x1.6 smd: 1(-1.6,0) 2(1.6,0)
  silkscreen extent -0.6,-0.77 0.6,0.77, body extent -1.73,-0.87 1.73,0.87, height 0.7
SOP65P640X120-14N [mm] "TSOP, 14-Leads, Body 5.00x4.40mm, Pitch 0.65mm, IPC Medium Density"
  rect 1.6x0.35 smd paste-0.025 mask+0.07: 1(-2.8,1.95) 2(-2.8,1.3) 3(-2.8,0.65) 4(-2.8,0) 5(-2.8,-0.65) 6(-2.8,-1.3) 7(-2.8,-1.95) 8(2.8,-1.95) 9(2.8,-1.3) 10(2.8,-0.65) 11(2.8,0) 12(2.8,0.65) 13(2.8,1.3) 14(2.8,1.95)
  silkscreen extent -2.92,-2.55 1.7,2.72, body extent -3.2,-2.5 3.2,2.5, height 1.2
SOT95P237X112-3N [mm] "SOT23, 3-Leads, Body 2.92x2.37mm, Pitch 0.95mm, IPC Medium Density"
  rect 1.3x0.6 smd: 1(-1.05,0.95) 2(-1.05,-0.95) 3(1.05,0)
  silkscreen extent -0.3,-1.5 0.7,1.5, body extent -0.7,-1.52 0.7,1.52, height 1.12
SOT95P240X120-3N [mm] "SOT23, 3-Leads, Body 3.1x2.7mm (max), Pitch 0.95mm, IPC Medium Density"
  rect 1.35x0.65 smd: 1(-1.075,0.95) 2(-1.075,-0.95) 3(1.075,0)
  silkscreen extent -1.2,-1.55 0.75,1.95, body extent -0.75,-1.56 0.75,1.56, height 1.2
SOTFL50P160X90-3N [mm] "SOTFL, 3-Leads, Body 1.60x1.60mm, Pitch 0.50mm, IPC Medium Density"
  rect 0.51x0.4 smd: 1(-0.65,0.5) 2(-0.65,-0.5) 3(0.65,0)
  silkscreen extent -0.1,-0.8 0.4,0.8, body extent -0.4,-0.8 0.4,0.8, height 0.9
STMICROELECTRONICS_PKG_LQFP100 [mm]
  rect 1.2x0.3 smd: 1(-7.75,6) 2(-7.75,5.5) 3(-7.75,5) 4(-7.75,4.5) 5(-7.75,4) 6(-7.75,3.5) 7(-7.75,3) 8(-7.75,2.5) 9(-7.75,2) 10(-7.75,1.5) 11(-7.75,1) 12(-7.75,0.5) 13(-7.75,0) 14(-7.75,-0.5) 15(-7.75,-1) 16(-7.75,-1.5) 17(-7.75,-2) 18(-7.75,-2.5) 19(-7.75,-3) 20(-7.75,-3.5) 21(-7.75,-4) 22(-7.75,-4.5) 23(-7.75,-5) 24(-7.75,-5.5) 25(-7.75,-6) 51(7.75,-6) 52(7.75,-5.5) 53(7.75,-5) 54(7.75,-4.5) 55(7.75,-4) 56(7.75,-3.5) 57(7.75,-3) 58(7.75,-2.5) 59(7.75,-2) 60(7.75,-1.5) 61(7.75,-1) 62(7.75,-0.5) 63(7.75,0) 64(7.75,0.5) 65(7.75,1) 66(7.75,1.5) 67(7.75,2) 68(7.75,2.5) 69(7.75,3) 70(7.75,3.5) 71(7.75,4) 72(7.75,4.5) 73(7.75,5) 74(7.75,5.5) 75(7.75,6)
  rect 0.3x1.2 smd: 26(-6,-7.75) 27(-5.5,-7.75) 28(-5,-7.75) 29(-4.5,-7.75) 30(-4,-7.75) 31(-3.5,-7.75) 32(-3,-7.75) 33(-2.5,-7.75) 34(-2,-7.75) 35(-1.5,-7.75) 36(-1,-7.75) 37(-0.5,-7.75) 38(0,-7.75) 39(0.5,-7.75) 40(1,-7.75) 41(1.5,-7.75) 42(2,-7.75) 43(2.5,-7.75) 44(3,-7.75) 45(3.5,-7.75) 46(4,-7.75) 47(4.5,-7.75) 48(5,-7.75) 49(5.5,-7.75) 50(6,-7.75) 76(6,7.75) 77(5.5,7.75) 78(5,7.75) 79(4.5,7.75) 80(4,7.75) 81(3.5,7.75) 82(3,7.75) 83(2.5,7.75) 84(2,7.75) 85(1.5,7.75) 86(1,7.75) 87(0.5,7.75) 88(0,7.75) 89(-0.5,7.75) 90(-1,7.75) 91(-1.5,7.75) 92(-2,7.75) 93(-2.5,7.75) 94(-3,7.75) 95(-3.5,7.75) 96(-4,7.75) 97(-4.5,7.75) 98(-5,7.75) 99(-5.5,7.75) 100(-6,7.75)
  silkscreen extent -8.15,-7.2 7.2,7.35, body extent -7.1,-7.1 7.1,7.1, height 1.6
SULLINS_PPPC082LFBN-RC [mm]
  round 1.5 hole 0.9: 1(-1.27,8.89) 2(1.27,8.89) 3(-1.27,6.35) 4(1.27,6.35) 5(-1.27,3.81) 6(1.27,3.81) 7(-1.27,1.27) 8(1.27,1.27) 9(-1.27,-1.27) 10(1.27,-1.27) 11(-1.27,-3.81) 12(1.27,-3.81) 13(-1.27,-6.35) 14(1.27,-6.35) 15(-1.27,-8.89) 16(1.27,-8.89)
  silkscreen extent -3.4,-10.41 2.7,10.41, body extent -2.54,-10.41 2.54,10.41, height 8.51
TAIYO-YUDEN_NRS8030T4R7MJGJ [mm]
  rect 1.8x7.5 smd: 1(-2.8,0) 2(2.8,0)
  silkscreen extent -1.6,-4 1.6,4, body extent -4.1,-4.1 4.1,4.1, height 3
TDK_VLS6045EX [mm]
  rect 1.9x5.1 smd: 1(-2.1,0) 2(2.1,0)
  silkscreen extent -2.5,-3 2.5,3, body extent -3.15,-3.15 3.15,3.15, height 4.5
TE_1825027-6 [mm]
  oval 2x3 hole 1.3: 0(-3.505,2.49) 0(3.505,2.49)
  round 1.8 hole 0.99: 1(-2.25,0) 2(2.25,0)
  silkscreen extent -3.5,-2 3.5,4, body extent -4.2,-3.84 4.2,4.02, height 7
TEXASINSTRUMENTS_PKG_D0008A [mm]
  rrect16% 1.55x0.6 smd: 1(-2.7,1.905) 2(-2.7,0.635) 3(-2.7,-0.635) 4(-2.7,-1.905) 5(2.7,-1.905) 6(2.7,-0.635) 7(2.7,0.635) 8(2.7,1.905)
  silkscreen extent -2.85,-2.5 1.5,2.85, body extent -3,-2.45 3,2.45, height 1.63
TEXASINSTRUMENTS_PKG_DBV0005A [mm] "SOT23, 5-Leads, Body 2.90x2.80mm, Pitch 0.95mm"
  rrect17% 1.1x0.6 smd mask+0.07: 1(-1.3,0.95) 2(-1.3,0) 3(-1.3,-0.95) 4(1.3,-0.95) 5(1.3,0.95)
  silkscreen extent -1.5,-1.55 0.45,1.92, body extent -1.4,-1.45 1.4,1.45, height 1.2
TEXASINSTRUMENTS_PKG_DBV0006A [mm] "SOT23, 6-Leads, Body 2.90x2.80mm, Pitch 0.95mm"
  rect 1.1x0.6 smd: 1(-1.3,0.95) 2(-1.3,0) 3(-1.3,-0.95) 4(1.3,-0.95) 5(1.3,0) 6(1.3,0.95)
  silkscreen extent -1.4,-1.55 0.5,1.75, body extent -1.5,-1.53 1.5,1.53, height 1.1
TEXASINSTRUMENTS_PKG_DCY [mm]
  rect 0.95x2.15 smd: 1(-2.3,-2.7) 2(0,-2.7) 3(2.3,-2.7)
  rect 3.25x2.15 smd: 4(0,2.7)
  silkscreen extent -3.35,-1.85 3.35,1.85, body extent -3.35,-1.85 3.35,1.85, height 1.8
TEXASINSTRUMENTS_PKG_DQA0009A [mm]
  rrect40% 0.565x0.2 smd paste+0 mask+0.07: 1(-0.417,1) 2(-0.417,0.5) 4(-0.417,-0.5) 5(-0.417,-1) 6(0.417,-1) 7(0.417,-0.5) 9(0.417,0.5) 10(0.417,1)
  round 0.025 smd paste-2539.97: 3(-0.15,0) 8(0.15,0)
  L1 region: -0.65,-0.15 -0.669,-0.146 -0.685,-0.135 -0.696,-0.119 -0.7,-0.1 -0.7,-0.1 -0.7,-0.1 -0.7,0.1 -0.696,0.119 -0.685,0.135 -0.669,0.146 -0.65,0.15 -0.65,0.15 -0.45,0.15 -0.431,0.154 -0.415,0.165 -0.404,0.181 -0.4,0.2 -0.4,0.2 0.4,0.2 0.4,-0.2 -0.4,-0.2 -0.404,-0.181 -0.415,-0.165 -0.431,-0.154 -0.45,-0.15 -0.45,-0.15
  L1 region: 0.65,-0.15 0.669,-0.146 0.685,-0.135 0.696,-0.119 0.7,-0.1 0.7,-0.1 0.7,-0.1 0.7,0.1 0.696,0.119 0.685,0.135 0.669,0.146 0.65,0.15 0.65,0.15 0.45,0.15 0.431,0.154 0.415,0.165 0.404,0.181 0.4,0.2 0.4,0.2 -0.4,0.2 -0.4,-0.2 0.4,-0.2 0.404,-0.181 0.415,-0.165 0.431,-0.154 0.45,-0.15 0.45,-0.15
  silkscreen extent -0.6,1.35 -0.2,1.35, body extent -0.55,-1.3 0.55,1.3, height 0.51
TEXASINSTRUMENTS_PKG_PW0020A [mm]
  rrect50% 1.5x0.45 smd mask+0.05: 1(-2.9,2.925) 2(-2.9,2.275) 3(-2.9,1.625) 4(-2.9,0.975) 5(-2.9,0.325) 6(-2.9,-0.325) 7(-2.9,-0.975) 8(-2.9,-1.625) 9(-2.9,-2.275) 10(-2.9,-2.925) 11(2.9,-2.925) 12(2.9,-2.275) 13(2.9,-1.625) 14(2.9,-0.975) 15(2.9,-0.325) 16(2.9,0.325) 17(2.9,0.975) 18(2.9,1.625) 19(2.9,2.275) 20(2.9,2.925)
  silkscreen extent -2.95,-3.45 1.85,3.5, body extent -3.2,-3.25 3.2,3.25, height 1.13
TEXASINSTRUMENTS_PKG_RTE0016C [mm]
  rrect41% 0.6x0.24 smd paste+0: 1(-1.4,0.75) 2(-1.4,0.25) 3(-1.4,-0.25) 4(-1.4,-0.75) 9(1.4,-0.75) 10(1.4,-0.25) 11(1.4,0.25) 12(1.4,0.75)
  rrect41% 0.24x0.6 smd paste+0: 5(-0.75,-1.4) 6(-0.25,-1.4) 7(0.25,-1.4) 8(0.75,-1.4) 13(0.75,1.4) 14(0.25,1.4) 15(-0.25,1.4) 16(-0.75,1.4)
  rrect5% 1.68x1.68 smd paste-0.065: 17(0,0)
  silkscreen extent -2.15,-1.7 1.7,1.7, body extent -1.55,-1.55 1.55,1.55, height 0.51
WURTH_750317722 [mm]
  rect 1.12x0.96 smd: 1(-4.57,2.54) 2(-4.57,0) 3(-4.57,-2.54) 4(4.57,-2.54) 5(4.57,0) 6(4.57,2.54)
  silkscreen extent -5.73,-3.36 3.57,3.36, body extent -5.01,-3.24 4.95,3.24, height 4.06
WURTH_61300211121 [mm]
  rect 1.7x2.4 hole 1.1 mask+0.05: 1(-1.27,0)
  oval 1.7x2.4 hole 1.1 mask+0.05: 2(1.27,0)
  silkscreen extent -3,-1.6 3,1.6, body extent -2.54,-1.27 2.54,1.27, height 8.57
WURTH_61300611121 [mm]
  rect 1.7x2.4 hole 1.1 mask+0.05: 1(-6.35,0)
  oval 1.7x2.4 hole 1.1 mask+0.05: 2(-3.81,0) 3(-1.27,0) 4(1.27,0) 5(3.81,0) 6(6.35,0)
  silkscreen extent -7.7,-1.6 7.7,1.6, body extent -7.62,-1.27 7.62,1.27, height 8.55
XFCN_TT56145145-1520 [mm]
  round 5 hole 2.8: 1(-6.5,6.25) 2(-6.5,0) 3(-6.5,-6.25) 4(6.5,-6.25) 5(6.5,0) 6(6.5,6.25)
  round 0 hole 6.5 unplated: 7(0,0)
  silkscreen extent -3.6,-7.3 3.6,7.3, body extent -7.25,-7.25 7.25,7.25, height 11.2

## Part data
C1_ICC1 C1_ICC2 C1_ICC3 C1_ICC4 C1_ICC5 C1_ICC6 C1_ICC7 C1_ICC8 C3 C4 C5 C6 C13_ICC1 C13_ICC2 C13_ICC3 C13_ICC4 C13_ICC5 C13_ICC6 C13_ICC7 C13_ICC8 C18_ICC1 C18_ICC2 C18_ICC3 C18_ICC4 C18_ICC5 C18_ICC6 C18_ICC7 C18_ICC8 C45 C46 C54 C84_ICC1 C84_ICC2 C84_ICC3 C84_ICC4 C84_ICC5 C84_ICC6 C84_ICC7 C84_ICC8: library part CAP,Omit,0402, "Omit", Manufacturer 1=N/A, CreatedBy="Judd Foster", HelpURL=N/A, Manufacturer 1 Part Number=N/A, Part Name=CAP,Omit,0402, Vendor 1=N/A, Vendor 1 Part Number=N/A
C2 C55 C56 C57 C60 C63 C66 C67 C68 C69 C70 C72 C73 C74 C77: library part CAP,Cer,10uF,50VDC,X5R,1206, "10ï¿½F ï¿½20% 50V Ceramic Capacitor X5R 1206 (3216 Metric)", Manufacturer 1="Samsung Electro-Mechanics", Manufacturer 1 Part Number=CL31A106MBHNNNE, Vendor 1 Part Number=1276-6736-1-ND, CreatedBy="Judd Foster", HelpURL=https://www.samsungsem.com/resources/file/global/support/product_catalog/MLCC.pdf, Part Name=CAP,Cer,10uF,50VDC,X5R,1206, Vendor 1=Digikey
C7 C8 C15_ICC1 C15_ICC2 C15_ICC3 C15_ICC4 C15_ICC5 C15_ICC6 C15_ICC7 C15_ICC8 C16_ICC1 C16_ICC2 C16_ICC3 C16_ICC4 C16_ICC5 C16_ICC6 C16_ICC7 C16_ICC8 C19_PT1 C19_PT2 C19_PT3 C19_PT4 C19_PT5 C19_PT6 C19_PT7 C19_PT8 C20_PT1 C20_PT2 C20_PT3 C20_PT4 C20_PT5 C20_PT6 C20_PT7 C20_PT8 C39 C49 C50 C79 C80 C81 C82 C83: library part CAP,Cer,100nF,10%,50V,X7R,0402, "50V 100nF X7R Â±10% 0402 Ceramic Capacitors ROHS", Manufacturer 1=Murata, Manufacturer 1 Part Number=GRM155R71H104KE14D, Vendor 1 Part Number=C77020, CreatedBy="Judd Foster", HelpURL=https://www.lcsc.com/datasheet/C77020.pdf, Part Name=CAP,Cer,100nF,10%,50V,X7R,0402, Vendor 1=LCSC
C14_ICC1 C14_ICC2 C14_ICC3 C14_ICC4 C14_ICC5 C14_ICC6 C14_ICC7 C14_ICC8 C17_ICC1 C17_ICC2 C17_ICC3 C17_ICC4 C17_ICC5 C17_ICC6 C17_ICC7 C17_ICC8 C59: library part CAP,Cer,10nF,10%,25V,X7R,0402, "10000pF ï¿½10% 25V Ceramic Capacitor X7R 0402 (1005 Metric)", Manufacturer 1="Murata Electronics", Manufacturer 1 Part Number=GCM155R71E103KA37D, Vendor 1 Part Number=490-6043-1-ND, CreatedBy="Judd Foster", HelpURL=https://psearch.en.murata.com/capacitor/product/GCM155R71E103KA37%23.pdf, Part Name=CAP,Cer,10nF,10%,25V,X7R,0402, Vendor 1=Digikey
C21 C22 C23 C24 C26 C27 C28 C29 C30 C31 C32 C33 C34 C53 C58 C61 C62 C64 C71 C76: library part CAP,Cer,1uF,35VDC,X5R,0402, "1 ï¿½F ï¿½10% 35V Ceramic Capacitor X5R 0402 (1005 Metric)", Manufacturer 1="TDK Corporation", Manufacturer 1 Part Number=C1005X5R1V105K050BC, Vendor 1 Part Number=445-9073-1-ND, CreatedBy="Judd Foster", HelpURL=https://product.tdk.com/info/en/catalog/datasheets/mlcc_commercial_general_en.pdf?ref_disty=digikey, Part Name=CAP,Cer,1uF,35VDC,X5R,0402, Vendor 1=Digikey
C35 C36: library part CAP,Cer,5.1pF,+-0.1pF,50V,C0G,0402, "50V 5.1pF C0G 0402 Ceramic Capacitors ROHS", Manufacturer 1=Murata, Manufacturer 1 Part Number=GJM1555C1H5R1BB01D, Vendor 1 Part Number=C237535, CreatedBy="Judd Foster", HelpURL=https://www.lcsc.com/datasheet/C237535.pdf, Part Name=CAP,Cer,5.1pF,+-0.1pF,50V,C0G,0402, Vendor 1=LCSC
C37 C38: library part CAP,Cer,6.8pF,+-0.1pF,50V,C0G,0402, "50V 6.8pF C0G 0402 Ceramic Capacitors ROHS", Manufacturer 1=Murata, Manufacturer 1 Part Number=GJM1555C1H6R8BB01D, Vendor 1 Part Number=C88896, CreatedBy="Judd Foster", HelpURL=https://www.lcsc.com/datasheet/C88896.pdf, Part Name=CAP,Cer,6.8pF,+-0.1pF,50V,C0G,0402, Vendor 1=LCSC
C65: library part CAP,Cer,47nF,10%,50V,X7R,0402, "50V 47nF X7R Â±10% 0402 Multilayer Ceramic Capacitors MLCC - SMD/SMT ROHS", Manufacturer 1=YAGEO, Manufacturer 1 Part Number=CC0402KRX7R9BB473, Vendor 1 Part Number=C272875, CreatedBy="Judd Foster", HelpURL=https://www.lcsc.com/datasheet/C272875.pdf, Part Name=CAP,Cer,47nF,10%,50V,X7R,0402, Vendor 1=LCSC
D1 D2 D14 D15 D16 D17: library part DIODE,Schottky,60V,200mA,SOD523, "Diode 60 V 200mA Surface Mount SOD-523", Manufacturer 1="Nexperia USA Inc.", CreatedBy="Judd Foster", HelpURL=https://assets.nexperia.com/documents/data-sheet/PMEG6002EB-Q.pdf, Manufacturer 1 Part Number=PMEG6002EB-QX, Part Name=DIODE,Schottky,60V,200mA,SOD523, Vendor 1=DigiKey, Vendor 1 Part Number=PMEG6002EB-QX
D3 D12 D30 D31: library part DIODE,Gen,75V,150mA,SOD523F, "Diode 75 V 200mA Surface Mount SOD-523F", Manufacturer 1=onsemi, Vendor 1 Part Number=1N4148WTCT-ND, CreatedBy="Judd Foster", HelpURL=https://mm.digikey.com/Volume0/opasdata/d220001/medias/docus/6621/1N914BWTCND.pdf, Manufacturer 1 Part Number=1N4148WT, Part Name=DIODE,Gen,75V,150mA,SOD523F, Vendor 1=DigiKey
D4 D29: library part LED,Red,SMD,0603, "Red 631nm LED Indication - Discrete 2V 0603 (1608 Metric)", Manufacturer 1="Lite-On Inc.", Manufacturer 1 Part Number=LTST-C190KRKT, Vendor 1 Part Number=160-1436-1-ND, CreatedBy="Judd Foster", HelpURL=https://optoelectronics.liteon.com/upload/download/DS-22-99-0151/LTST-C190KRKT.pdf, Part Name=LED,Red,SMD,0603, Vendor 1=Digikey
D5: library part LED,Yellow,SMD,0603, "Yellow 591nm LED Indication - Discrete 2.1V 0603 (1608 Metric)", Manufacturer 1="Lite-On Inc.", Manufacturer 1 Part Number=LTST-C190KSKT, Vendor 1 Part Number=160-1437-1-ND, CreatedBy="Judd Foster", HelpURL=https://optoelectronics.liteon.com/upload/download/DS-22-99-0189/LTST-C190KSKT.pdf, Part Name=LED,Yellow,SMD,0603, Vendor 1=Digikey
D6: library part LED,Green,SMD,0603, "Green 571nm LED Indication - Discrete 2V 0603 (1608 Metric)", Manufacturer 1="Lite-On Inc.", Manufacturer 1 Part Number=LTST-C190KGKT, Vendor 1 Part Number=160-1435-1-ND, CreatedBy="Judd Foster", HelpURL=https://optoelectronics.liteon.com/upload/download/DS22-2000-074/LTST-C190KGKT.PDF, Part Name=LED,Green,SMD,0603, Vendor 1=Digikey
D7 D8 D11_C1 D11_C2 D11_C3 D11_C4 D11_C5 D11_C6 D11_C7 D11_C8 D11_C9 D11_C10: library part DIODE,Array,Schottky,Series,30V,200mA,SOT23, "Diode Array 1 Pair Series Connection 30 V 200mA (DC) Surface Mount TO-236-3, SC-59, SOT-23-3", Manufacturer 1=onsemi, Vendor 1 Part Number=BAT54SLT1GOSCT-ND, CreatedBy="Judd Foster", HelpURL=https://www.onsemi.com/pdf/datasheet/bat54slt1-d.pdf, Manufacturer 1 Part Number=BAT54SLT1G, Part Name=DIODE,Array,Schottky,Series,30V,200mA,SOT23, Vendor 1=Digikey
D13: library part DIODE,Schottky,20V,1A,SOD523, "Diode 20 V 1A Surface Mount SOD-523", Manufacturer 1="Nexperia USA Inc.", Vendor 1 Part Number=1727-8539-1-ND, CreatedBy="Judd Foster", HelpURL=https://assets.nexperia.com/documents/data-sheet/PMEG2010AEB.pdf, Manufacturer 1 Part Number=PMEG2010AEBF, Part Name=DIODE,Schottky,20V,1A,SOD523, Vendor 1=DigiKey
D18 D19: library part DIODE,TVS,5.0V,SOD882, "20V Clamp 4A (8/20ï¿½s) Ipp Tvs Diode Surface Mount 2-DFN1006", Manufacturer 1="Micro Commercial Co", Vendor 1 Part Number=ESDSLC5V0LB-TPMSCT-ND, CreatedBy="Judd Foster", HelpURL=https://www.mccsemi.com/pdf/Products/ESDSLC5V0LB(DFN1006-2).pdf, Manufacturer 1 Part Number=ESDSLC5V0LB-TP, Part Name=DIODE,TVS,5.0V,SOD882, Vendor 1=Digikey